# KiCad board Cacao.kicad_pcb (continued)
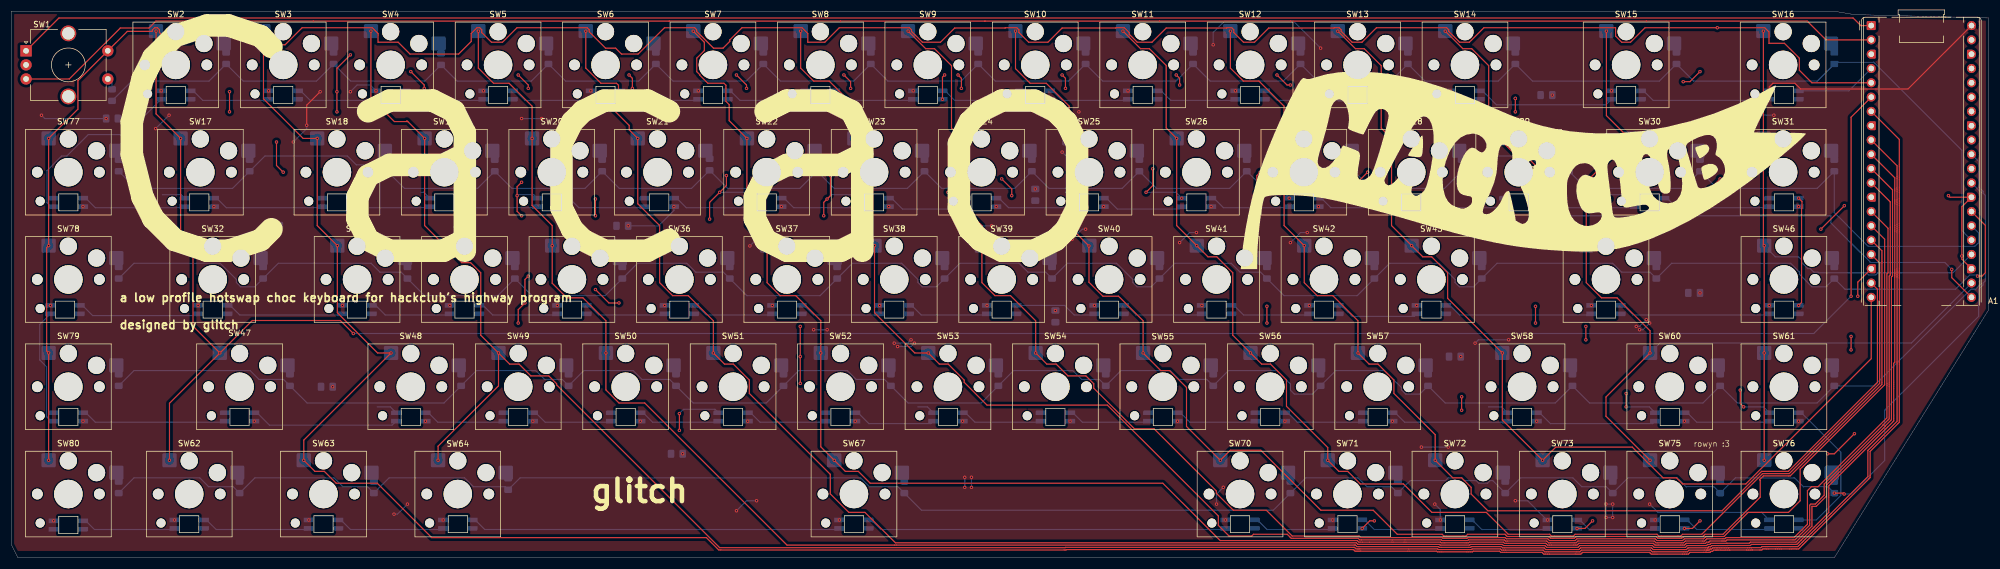
[diagram p0: board, top side]
## Nets (continued)
Net-(D41-A): D41.2 SW42.2
Net-(D42-A): D42.2 SW43.2
Net-(D43-DOUT): D43.1 D58.3
Net-(D44-A): D44.2 SW45.2
Net-(D45-A): D45.2 SW46.2
Net-(D46-A): D46.2 SW47.2
Net-(D47-A): D47.2 SW48.2
Net-(D48-A): D48.2 SW49.2
Net-(D49-A): D49.2 SW50.2
Net-(D50-A): D50.2 SW51.2
Net-(D51-A): D51.2 SW52.2
Net-(D52-A): D52.2 SW53.2
Net-(D53-A): D53.2 SW54.2
Net-(D54-A): D54.2 SW55.2
Net-(D55-A): D55.2 SW56.2
Net-(D56-A): D56.2 SW57.2
Net-(D57-A): D57.2 SW58.2
Net-(D58-DOUT): D58.1 D64.3
Net-(D59-A): D59.2 SW60.2
Net-(D60-A): D60.2 SW61.2
Net-(D61-A): D61.2 SW62.2
Net-(D62-A): D62.2 SW63.2
Net-(D63-A): D63.2 SW64.2
Net-(D64-DOUT): D64.1 D65.3
Net-(D65-DOUT): D65.1 D67.3
Net-(D66-A): D66.2 SW67.2
Net-(D67-DOUT): D67.1 D68.3
Net-(D68-DOUT): D68.1 D73.3
Net-(D69-A): D69.2 SW70.2
Net-(D70-A): D70.2 SW71.2
Net-(D71-A): D71.2 SW72.2
Net-(D72-A): D72.2 SW73.2
Net-(D73-DOUT): D73.1 D81.3
Net-(D74-A): D74.2 SW75.2
Net-(D75-A): D75.2 SW76.2
Net-(D76-A): D76.2 SW1.S2
Net-(D77-A): D77.2 SW77.2
Net-(D78-A): D78.2 SW78.2
Net-(D79-A): D79.2 SW79.2
Net-(D80-A): D80.2 SW80.2
Net-(D81-DOUT): D81.1 D82.3
Net-(D82-DOUT): D82.1 D83.3
Net-(D83-DOUT): D83.1 D84.3
Net-(D84-DOUT): D84.1 D85.3
Net-(D86-DOUT): D86.1 D87.3
Net-(D87-DOUT): D87.1 D88.3
Net-(D88-DOUT): D88.1 D89.3
Net-(D89-DOUT): D89.1 D90.3
Net-(D90-DOUT): D90.1 D91.3
Net-(D91-DOUT): D91.1 D92.3
Net-(D92-DOUT): D92.1 D93.3
Net-(D93-DOUT): D93.1 D94.3
Net-(D94-DOUT): D94.1 D95.3
Net-(D95-DOUT): D95.1 D96.3
Net-(D96-DOUT): D96.1 D97.3
Net-(D98-DOUT): D98.1 D99.3
Net-(D100-DIN): D99.1 D100.3
Net-(D100-DOUT): D100.1 D101.3
Net-(D101-DOUT): D101.1 D102.3
Net-(D102-DOUT): D102.1 D103.3
Net-(D103-DOUT): D103.1 D104.3
Net-(D104-DOUT): D104.1 D105.3
Net-(D105-DOUT): D105.1 D106.3
Net-(D106-DOUT): D106.1 D107.3
Net-(D107-DOUT): D107.1 D108.3
Net-(D108-DOUT): D108.1 D109.3
Net-(D110-DOUT): D110.1 D111.3
Net-(D111-DOUT): D111.1 D112.3
Net-(D112-DOUT): D112.1 D113.3
Net-(D113-DOUT): D113.1 D115.3
Net-(D115-DOUT): D115.1 D116.3
Net-(D116-DOUT): D116.1 D117.3
Net-(D117-DOUT): D117.1 D118.3
Net-(D118-DOUT): D118.1 D119.3
Net-(D119-DOUT): D119.1 D120.3
Net-(D120-DOUT): D120.1 D121.3
Net-(D122-DOUT): D122.1 D123.3
Net-(D123-DOUT): D123.1 D124.3
Net-(D124-DOUT): D124.1 D125.3
Net-(D125-DOUT): D125.1 D126.3
Net-(D126-DOUT): D126.1 D127.3
Net-(D127-DOUT): D127.1 D128.3
Net-(D128-DOUT): D128.1 D129.3
Net-(D129-DOUT): D129.1 D130.3
Net-(D130-DOUT): D130.1 D131.3
Net-(D131-DOUT): D131.1 D132.3
Net-(D132-DOUT): D132.1 D133.3
Net-(D134-DOUT): D134.1 D135.3
Net-(D135-DOUT): D135.1 D136.3
Net-(D136-DOUT): D136.1 D137.3
Net-(D137-DOUT): D137.1 D138.3
Net-(D138-DOUT): D138.1 D139.3
Net-(D139-DOUT): D139.1 D140.3
Net-(D140-DOUT): D140.1 D141.3
Net-(D141-DOUT): D141.1 D142.3
Net-(D142-DOUT): D142.1 D143.3
Net-(D143-DOUT): D143.1 D144.3
Net-(D144-DOUT): D144.1 D145.3
Net-(D145-DOUT): D145.1 D146.3

Pads without a net: A1 30 32 33 34 35 36 37 39; D146 1; SW1 MP

## Via types
v1: diameter 0.6, hole 0.3, Top to Bottom, 323 vias

## Routing (per net, layer and track width the routed paths; a pad name or vN(x,y) marks a point on that pad's centre or on a via; arc(x,y) is an arc through that point)
+5V: length 221.7
  Top w0.2: A1.40 336.32,83.23 317.29,83.23 316.27,84.25 312.38,84.25 311.73,83.6 v1(311.73,82.9) ; v1(54.77,82.75) 52.39,80.37 v1(52.39,76.8)
  Bottom w0.2: v1(290.51,9.53) 291.98,8.05 310.37,8.05 D136.4 ; v1(109.38,58.94) 114.78,58.94 117.5,61.65 v1(117.5,62.35) ; v1(289.92,42.27) 288.73,41.08 v1(288.13,41.08) ; v1(213.72,9.53) 213.72,11.31 v1(214.91,12.5) ; v1(186.33,72.03) 186.93,71.44 v1(189.31,71.44) ; v1(312.54,78.58) v1(308.97,78.58) ; v1(156.57,38.1) 158.95,38.1 v1(159.54,38.7) ; v1(52.39,76.8) 52.39,76.2 v1(50.01,73.82) ; v1(5.36,78.58) 5.95,77.99 v1(16.82,77.99) ; v1(254.79,19.65) v1(250.03,19.65) ; v1(213.12,91.08) 213.12,93.27 215.14,95.29 227.37,95.29 v1(232.17,90.49) ; v1(188.12,56.55) 189.9,58.34 v1(190.5,58.34) ; v1(70.25,9.53) 68.46,7.74 v1(67.87,7.74) ; v1(160.14,38.1) 159.54,37.5 v1(157.16,37.5) ; v1(252.41,9.53) 253.38,8.55 v1(253.38,6.7) ; v1(286.35,71.44) 284.56,71.44 v1(283.37,72.63) ; v1(259.56,38.1) 260.15,38.7 v1(265.51,38.7) ; v1(290.51,41.67) 289.32,40.48 v1(288.73,40.48) ; v1(27.98,78.58) v1(25.6,76.2) ; v1(286.94,72.03) 285.75,72.03 v1(283.96,73.82) ; v1(64.67,82.9) 63.63,83.94 61.32,83.94 v1(60.13,82.75) ; v1(229.79,57.75) 228.6,57.75 v1(226.81,55.96) ; v1(272.43,6.7) 272.3,6.7 268.89,10.12 v1(266.7,10.12) ; v1(133.95,57.75) 133.35,57.75 v1(130.97,55.36) ; v1(170.26,14.29) v1(170.26,12.5) ; v1(144.66,40.48) v1(142.28,40.48) ; v1(207.17,55.96) 208.95,57.75 v1(210.15,57.75) ; v1(128.59,8.33) 130.37,10.12 v1(132.16,10.12) ; v1(173.83,58.94) v1(170.26,58.94) ; v1(169.07,14.29) v1(169.07,12.5) ; v1(94.06,77.99) v1(90.49,77.99) ; v1(282.77,9.53) v1(282.77,7.14) v1(283.96,7.14) v1(283.96,9.53) v1(282.77,9.53)
  vias: v1(6.93,44.8) v1(7.52,6.55) v1(12.72,62.35) v1(12.72,24.25) v1(26.57,82.9) v1(28.95,6.7) v1(33.12,44.8) v1(35.94,62.35) v1(43.08,24.25) v1(45.62,82.9) v1(47.63,58.94) v1(52.76,6.7) v1(57,30.36) v1(58.72,44.8) v1(60.35,62.35) v1(73.44,24.25) v1(76.58,6.7) v1(77.77,44.8) v1(79.4,62.35) v1(83.72,82.9) v1(92.49,24.25) v1(96.82,44.8) v1(98.45,62.35) v1(102.77,82.9) v1(111.54,24.25) v1(115.87,44.8) v1(119.06,18.45) v1(121.82,82.9) v1(130.59,24.25) v1(134.94,44.8) v1(136.55,62.35) v1(140.87,82.9) v1(146.82,6.7) v1(149.64,24.25) v1(153.97,44.8) v1(155.6,62.35) v1(159.92,82.9) v1(168.69,24.25) v1(173.02,44.8) v1(174.65,62.35) v1(178.97,82.9) v1(181.57,65.48) v1(185.14,43.9) v1(185.74,79.18) v1(187.74,24.25) v1(189.31,79.18) v1(192.07,44.8) v1(193.7,62.35) v1(198.02,82.9) v1(206.79,24.25) v1(211.12,44.8) v1(212.75,62.35) v1(215.28,6.7) v1(217.07,82.9) v1(225.84,24.25) v1(230.17,44.8) v1(231.8,62.35) v1(234.33,6.7) v1(236.12,82.9) v1(244.89,24.25) v1(249.22,44.8) v1(250.85,62.35) v1(255.17,82.9) v1(257.02,35.72) v1(269.9,62.35) v1(270.49,24.25) v1(273.25,82.15) v1(280.17,44.8) v1(283.75,82.9) v1(291.48,6.7) v1(293.11,62.35) v1(296.68,24.25) v1(299.44,47.03) v1(311.73,44.8) v1(316.93,62.35) v1(316.93,24.25)
GND: length 283.8
  Top w0.2: A1.23 345.88,53.02 v1(345.88,53.58) 345.88,62.31 A1.28 343.77,64.02 v1(343.5,64.29) ; v1(307.18,26.79) 306.59,27.38 v1(306.59,29.77) ; v1(280.39,6.55) 279.05,5.2 v1(277.63,5.2) ; v1(326.23,39.29) v1(326.23,36.91) ; v1(286.35,29.17) v1(286.35,26.79) ; v1(299.44,86.32) 297.66,84.53 v1(296.47,84.53) ; v1(130.37,83.34) 130.37,83.94 v1(128.59,85.73) ; v1(266.7,81.56) v1(266.7,79.18) ; v1(139.9,41.08) v1(139.9,30.96) ; v1(148.83,83.34) 148.83,84.53 v1(147.64,85.73) ; v1(73.22,83.34) 73.22,83.94 v1(70.84,86.32) ; v1(301.23,65.48) v1(303.01,67.27) ; v1(165.5,85.73) 165.12,85.35 v1(165.12,81.4) ; v1(279.2,41.08) v1(279.2,38.7) ; v1(177.4,64.29) 177.4,65.48 v1(175.62,67.27) ; v1(109.54,85.73) 110.13,85.13 v1(110.13,83.34) ; v1(168.47,83.34) 168.47,85.13 v1(167.88,85.73) ; v1(60.13,89.3) 57.75,86.92 v1(57.75,82.75) v1(57.75,79.18) ; v1(167.28,66.68) 167.28,66.08 v1(166.09,64.89) ; v1(103.58,47.63) 105.97,45.24 v1(107.75,45.24) ; v1(38.7,79.18) v1(38.7,82.75) ; v1(89.89,41.67) 89.89,44.05 v1(91.08,45.24) 91.08,49.41 v1(91.68,50.01) ; v1(91.68,83.34) 91.68,83.94 v1(89.89,85.73) ; v1(103.58,63.7) v1(103.58,60.72) ; v1(326.83,22.03) 323.25,18.45 v1(322.06,18.45) ; v1(222.65,41.67) v1(222.65,44.65) ; v1(47.03,73.82) 47.03,69.65 v1(48.22,68.46) ; v1(244.08,85.73) 244.67,85.73 v1(246.46,83.94) ; v1(123.83,60.13) 123.83,63.1 v1(125.61,64.89) 126.8,66.08 v1(126.8,67.87) ; v1(186.33,85.73) 186.93,85.13 v1(186.93,83.34) ; v1(327.42,46.43) 327.42,48.93 A1.18 ; v1(299.44,6.55) 298.1,5.2 v1(296.68,5.2) ; v1(118.47,25.6) v1(118.47,22.62) ; v1(206.57,85.73) 207.17,85.13 v1(207.17,83.94) ; v1(220.86,64.89) 220.86,67.87 v1(221.46,68.46) ; v1(144.07,60.72) 144.07,63.1 v1(144.66,63.7) 145.26,64.29 v1(145.26,67.87) ; v1(226.81,83.94) 226.22,83.94 v1(224.43,85.73) ; v1(201.22,64.89) 202.41,66.08 v1(202.41,69.06) ; v1(325.04,62.51) v1(320.87,58.34) ; v1(241.7,6.55) 240.88,6.55 v1(239.53,5.2) ; v1(90.49,66.68) 89.69,65.88 v1(89.69,64.29) 89.69,61.52 v1(90.49,60.72) ; v1(270.27,44.65) v1(270.27,41.67) ; v1(238.13,64.29) 238.13,66.08 v1(240.51,68.46) ; v1(283.37,63.7) 282.77,63.1 v1(282.77,59.53) ; v1(257.18,28.58) v1(257.18,26.19)
  Bottom w0.2: 282.94,64.46 287.3,64.46 D103.2 ; D98.2 187.46,64.89 186.93,64.89 ; 166.69,64.89 v1(166.09,64.89) 168.41,64.89 D97.2 ; D126.2 124.78,26.36 119.23,26.36 v1(118.47,25.6) ; 64.89,26.79 67.21,26.79 D123.2 ; D90.2 30.13,64.46 26.79,64.46 ; v1(307.18,26.79) 310.69,26.79 D135.2 ; D134.2 290.45,26.79 v1(286.35,26.79) ; v1(220.86,64.89) 225.56,64.89 v1(226.6,63.85) ; D128.2 162.46,26.79 160.73,26.79 ; D133.2 264.25,26.79 261.94,26.79 ; 72.63,64.89 73.16,64.89 D92.2 ; v1(125.61,64.89) 130.31,64.89 D95.2 ; v1(207.55,63.85) 206.51,64.89 v1(201.22,64.89) ; 242.89,64.89 244.61,64.89 D101.2 ; D93.2 92.64,64.46 89.86,64.46 v1(89.69,64.29) ; v1(144.66,63.7) 145.42,64.46 149.79,64.46 D96.2
  vias: v1(139.9,35.72)
col0: length 439.1
  Top w0.2: v1(6.62,17.31) v1(6.62,36.36) 6.27,36.71 6.27,55.06 v1(6.62,55.41) v1(6.62,74.46) 11.82,79.66 11.82,84.71 SW1.S1 20.57,93.46 25,93.46 25,93.69 25.42,94.11 25.92,94.11 26.27,93.76 26.27,93.26 28,91.54 31.74,91.54 33.9,93.69 44.05,93.69 44.47,94.11 44.97,94.11 45.32,93.76 45.32,93.26 47.5,91.08 48.55,91.08 51.57,94.11 64.02,94.11 65.03,93.1 65.03,91.54 68.6,91.54 70.7,89.44 79.31,89.44 81.56,91.68 81.56,93.1 82.57,94.11 83.07,94.11 83.42,93.76 83.42,93.26 85.15,91.54 87.1,91.54 89.67,94.11 102.12,94.11 102.47,93.76 102.47,93.39 105.37,90.49 107.16,90.49 108.21,89.44 111.15,89.44 115.82,94.11 121.17,94.11 121.52,93.76 121.52,93.48 124.51,90.49 126.21,90.49 127.4,91.68 127.4,91.94 129.57,94.11 140.22,94.11 141.23,93.1 141.23,91.54 144.25,91.54 146.82,94.11 159.27,94.11 159.62,93.76 159.62,93.48 161.56,91.54 164.76,91.54 167.28,94.06 176.21,94.06 176.27,94.11 178.32,94.11 178.67,93.76 178.67,93.26 180.4,91.54 183.81,91.54 186.33,94.06 195.86,94.06 195.91,94.11 197.37,94.11 198.24,93.24 198.24,92.96 199.66,91.54 202.26,91.54 204.79,94.06 215.5,94.06 215.56,94.11 216.42,94.11 216.77,93.76 216.77,93.26 218.5,91.54 220.45,91.54 222.97,94.06 234.55,94.06 234.61,94.11 235.47,94.11 235.82,93.76 235.82,93.48 237.76,91.54 239.5,91.54 242.07,94.11 254.52,94.11 254.87,93.76 254.87,93.48 256.81,91.54 258.55,91.54 261.12,94.11 284.47,94.11 284.47,92.63 285.57,91.54 287.12,91.54 289.7,94.11 v1(302.51,94.11) 310.93,94.11 311.68,93.36 311.68,91.35 314.41,91.35 317.06,88.7 317.06,86.56 319.29,84.34 A1.5
col1: length 416.8
  Top w0.2: v1(36.98,36.36) 28.05,27.43 v1(28.05,17.31) ; v1(36.98,36.36) 42.74,42.12 58.35,42.12 v1(60.65,39.82) ; v1(36.98,36.36) 32.22,41.12 v1(32.22,55.41) 30.03,57.6 v1(30.03,74.46) 25.67,78.82 v1(25.67,93.51) ; A1.6 326.23,78.22 v1(326.23,46.43)
  Bottom w0.2: v1(326.23,46.43) 319.62,39.82 v1(60.65,39.82)
col2: length 454.8
  Top w0.2: A1.7 334.78,74.27 334.78,24.06 329.61,18.88 329.61,14.23 316.94,1.57 310.59,1.57 310.41,1.38 308.72,1.38 308.7,1.37 304.7,1.37 304.68,1.36 301.88,1.36 301.67,1.15 301.4,1.15 301.2,0.95 300.54,0.95 300.53,0.96 297.68,0.96 297.36,0.64 290.81,0.64 290.49,0.96 278.63,0.96 278.31,0.64 271.76,0.64 271.44,0.96 264.11,0.96 263.9,1.17 259.22,1.17 259.1,1.05 252.87,1.05 252.75,1.17 238.28,1.17 238,1.45 187.09,1.45 187.03,1.38 125.44,1.38 123.26,3.57 74.56,3.57 64.89,13.23 57.61,13.23 55.51,15.33 53.84,15.33 v1(51.86,17.31) 51.86,20.88 v1(67.34,36.36) 64.96,36.36 57.82,43.5 v1(57.82,55.41) 54.25,58.98 v1(54.25,74.46) 51.75,74.46 44.72,81.49 v1(44.72,93.51)
col3: length 419.9
  Top w0.2: 70.31,77.45 67.92,77.45 63.77,81.6 v1(63.77,93.51) ; 70.31,77.45 v1(73.3,74.46) 73.3,58.98 v1(76.87,55.41) 79.89,52.39 81.46,52.39 83.24,50.6 83.24,39.51 v1(86.39,36.36) ; 70.31,77.45 70.15,77.61 ; v1(86.39,36.36) 88.37,34.38 90.04,34.38 92.14,32.28 95.31,32.28 96.69,30.9 96.69,30.7 125.61,1.79 186.87,1.79 186.93,1.85 238.17,1.85 238.45,1.57 252.92,1.57 253.04,1.45 258.93,1.45 259.05,1.57 264.07,1.57 264.27,1.36 271.61,1.36 271.92,1.05 278.15,1.05 278.46,1.36 290.66,1.36 290.97,1.05 297.2,1.05 297.51,1.36 300.69,1.36 300.7,1.35 301.04,1.35 301.23,1.55 301.5,1.55 301.71,1.76 304.52,1.76 304.53,1.77 308.54,1.77 308.55,1.79 310.24,1.79 310.42,1.97 316.78,1.97 329.21,14.4 329.21,19.05 334.38,24.23 334.38,69.6 A1.9 ; v1(86.39,36.36) 86.39,30.52 75.68,19.81 v1(75.68,17.31)
col4: length 378.4
  Top w0.2: v1(82.82,93.51) 82.82,86.94 85.51,84.25 88.27,84.25 92.35,80.18 v1(92.35,74.46) 92.35,62.55 95.92,58.98 v1(95.92,55.41) 95.92,48.74 98.51,46.15 101.37,46.15 105.44,42.08 v1(105.44,36.36) 105.44,29.79 107.75,27.48 112.31,27.48 137.55,2.25 238.34,2.25 238.62,1.97 253.08,1.97 253.21,1.85 258.76,1.85 258.88,1.97 264.23,1.97 264.44,1.76 271.77,1.76 272.09,1.45 277.98,1.45 278.3,1.76 290.82,1.76 291.14,1.45 297.03,1.45 297.35,1.76 300.76,1.76 300.78,1.79 300.83,1.79 300.87,1.75 300.81,1.81 300.95,1.95 301.33,1.95 301.55,2.16 304.35,2.16 304.36,2.17 308.37,2.17 308.57,2.37 316.61,2.37 322.27,8.03 322.27,12.76 333.79,24.28 333.79,34.53 333.98,34.72 333.98,67.46 A1.10
col5: length 357.4
  Top w0.2: v1(101.87,93.51) 101.87,86.94 104.56,84.25 107.32,84.25 107.67,83.9 107.67,80.4 107.32,80.05 106.28,80.05 109.57,76.76 109.57,75.98 v1(111.09,74.46) 111.09,62.86 114.97,58.98 v1(114.97,55.41) 114.97,48.84 117.28,46.53 120.04,46.53 124.49,42.08 v1(124.49,36.36) 126.47,34.38 128.04,34.38 130.87,31.55 130.87,29.17 145.22,14.81 145.22,11.34 148.51,8.05 151.37,8.05 156.78,2.65 238.5,2.65 238.78,2.37 253.25,2.37 253.37,2.25 258.6,2.25 258.72,2.37 264.4,2.37 264.61,2.16 271.94,2.16 272.26,1.85 277.81,1.85 278.13,2.16 290.99,2.16 291.31,1.85 296.86,1.85 297.18,2.16 300.59,2.16 300.8,2.37 300.82,2.37 300.84,2.35 301.17,2.35 301.38,2.56 304.19,2.56 304.2,2.58 308.21,2.58 308.4,2.77 316.44,2.77 319.29,5.62 319.29,9.12 320.05,9.12 321.87,10.95 321.87,12.93 332.26,23.32 332.26,23.38 333.39,24.5 333.39,49.84 333.58,50.03 333.58,65.32 A1.11
col6: length 340.6
  Top w0.2: v1(120.92,93.51) 122.9,91.54 122.9,90.05 121.54,88.7 121.54,86.32 122.09,85.77 122.04,85.73 123.51,84.25 126.37,84.25 126.72,83.9 126.72,81.04 127.3,80.47 127.3,77.61 v1(130.45,74.46) 130.45,58.98 v1(134.02,55.41) 134.02,48.84 136.33,46.53 139.11,46.53 143.54,42.1 v1(143.54,36.36) 143.54,19.69 v1(145.92,17.31) 147.9,15.33 150.2,15.33 152.3,13.23 204.18,13.23 214.37,3.05 238.67,3.05 238.95,2.77 253.42,2.77 253.54,2.65 258.43,2.65 258.55,2.77 264.57,2.77 264.77,2.56 272.11,2.56 272.42,2.25 277.65,2.25 277.96,2.56 291.16,2.56 291.47,2.25 296.7,2.25 297.01,2.56 300.43,2.56 300.63,2.77 300.98,2.77 301,2.75 301.22,2.96 304.02,2.96 304.23,3.17 316.28,3.17 318.89,5.79 318.89,9.33 319.09,9.53 319.88,9.53 321.47,11.11 321.47,13.1 331.86,23.49 331.86,23.54 332.99,24.67 332.99,50.01 333.18,50.2 333.18,63.18 A1.12
col7: length 306
  Top w0.2: v1(139.97,93.51) 139.97,86.94 142.28,84.64 145.04,84.64 149.5,80.18 v1(149.5,74.46) 149.5,58.98 v1(153.07,55.41) 153.07,43.5 160.21,36.36 v1(162.59,36.36) 164.57,34.38 166.14,34.38 168.97,31.55 168.97,31.15 173.01,27.1 194.35,27.1 214.04,7.42 214.04,5.75 215.94,3.85 219.95,3.85 220.27,4.17 226.25,4.17 226.96,3.45 238.83,3.45 239.11,3.17 253.58,3.17 253.7,3.05 258.27,3.05 258.39,3.17 264.73,3.17 264.94,2.96 272.27,2.96 272.59,2.65 277.48,2.65 277.8,2.96 291.32,2.96 291.64,2.65 296.53,2.65 296.85,2.96 300.26,2.96 300.66,3.37 303.85,3.37 304.06,3.57 316.11,3.57 318.49,5.95 318.49,11.91 319.2,12.61 320.36,12.61 332.59,24.83 332.59,50.41 332.78,50.6 332.78,58.5 A1.14
col8: length 278.4
  Top w0.2: A1.15 332.18,56.55 332.18,30.72 317.2,15.73 317.2,10.12 315.14,8.05 307.98,8.05 303.69,3.77 300.5,3.77 300.09,3.37 296.68,3.37 296.37,3.05 291.8,3.05 291.49,3.37 277.63,3.37 277.32,3.05 272.75,3.05 272.44,3.37 265.11,3.37 264.9,3.57 258.22,3.57 258.1,3.45 253.87,3.45 253.75,3.57 239.28,3.57 239,3.85 227.13,3.85 222.55,8.43 216.69,8.43 213.69,11.44 213.69,11.85 202.63,22.9 199.15,22.9 191.94,30.11 191.94,30.9 190.56,32.28 187.39,32.28 185.29,34.38 183.62,34.38 v1(181.64,36.36) 181.64,42.08 177.19,46.53 174.43,46.53 172.12,48.84 v1(172.12,55.41) 172.12,58.98 168.55,62.55 v1(168.55,74.46) 166.72,76.29 166.72,87.38 163.71,90.39 162.14,90.39 v1(159.02,93.51)
col9: length 260.2
  Top w0.2: A1.16 331.71,54.49 331.71,30.8 315.43,14.53 310.7,14.53 310.01,13.84 310.13,13.72 310.13,10.77 303.52,4.17 300.33,4.17 299.93,3.77 296.51,3.77 296.2,3.45 291.97,3.45 291.65,3.77 277.46,3.77 277.15,3.45 272.92,3.45 272.6,3.77 265.27,3.77 264.87,4.17 258.25,4.17 257.93,3.85 254.04,3.85 253.72,4.17 245.76,4.17 241.5,8.43 232.21,8.43 221.56,19.09 216.16,19.09 v1(214.38,17.31) 208.39,23.3 208.39,30.23 205.38,33.24 203.82,33.24 v1(200.69,36.36) 200.69,42.08 196.34,46.43 193.58,46.43 191.1,48.92 v1(191.1,55.36) 187.6,58.86 v1(187.6,74.46) 187.6,80.18 183.52,84.25 180.66,84.25 178.07,86.84 v1(178.07,93.51)
col10: length 232.4
  Top w0.2: v1(197.12,93.51) 200.24,90.39 201.81,90.39 204.79,87.41 204.79,76.32 v1(206.65,74.46) 206.65,58.98 v1(210.22,55.41) 212.19,53.43 213.76,53.43 216.59,50.6 216.59,39.51 v1(219.74,36.36) 221.72,34.38 223.29,34.38 226.12,31.55 226.12,26.89 233.43,19.57 v1(233.43,17.31) 235.41,15.33 236.98,15.33 239.22,13.1 246.86,13.1 251.9,8.05 261.55,8.05 265.44,4.17 272.77,4.17 273.09,3.85 276.98,3.85 277.3,4.17 291.82,4.17 292.14,3.85 296.03,3.85 296.35,4.17 299.76,4.17 310.53,14.93 315.27,14.93 331.31,30.97 331.31,52.35 A1.17
col11: length 205.8
  Top w0.2: A1.19 330.9,47.67 330.9,31.14 315.1,15.33 310.36,15.33 303.36,8.33 261.84,8.33 258.86,11.31 258.86,12.5 257.18,14.19 255.61,14.19 v1(252.48,17.31) 252.48,21.85 245.17,29.17 245.17,31.55 242.34,34.38 240.77,34.38 v1(238.79,36.36) 238.79,42.08 234.34,46.53 231.58,46.53 229.27,48.84 v1(229.27,55.41) 225.7,58.98 v1(225.7,74.46) 225.7,80.18 221.24,84.64 218.48,84.64 216.17,86.94 v1(216.17,93.51)
col12: length 175.2
  Top w0.2: A1.20 329.8,35.34 307.56,13.1 296.37,13.1 295.28,14.19 292.89,14.19 290.37,16.71 290.34,16.71 289.98,17.06 289.98,17.1 287.43,19.65 273.87,19.65 v1(271.53,17.31) 264.39,24.45 v1(264.39,36.36) 254.69,46.06 254.69,50.6 251.86,53.43 250.29,53.43 v1(248.32,55.41) 244.75,58.98 v1(244.75,74.46) 242.92,76.29 242.92,87.38 239.91,90.39 238.34,90.39 v1(235.22,93.51)
col13: length 123.4
  Top w0.2: A1.21 344.08,49.74 v1(344.08,51.2) ; v1(254.27,93.51) 257.39,90.39 258.96,90.39 261.97,87.38 261.97,76.29 v1(263.8,74.46) 266.92,71.34 268.59,71.34 271.49,68.43 271.49,67.92 275.03,64.38 v1(275.03,60.72)
  Bottom w0.2: v1(275.03,60.72) 322.66,60.72 322.66,59.44 329.68,52.42 342.87,52.42 v1(344.08,51.2)
col14: length 156
  Top w0.2: v1(290.58,17.31) 282.77,25.12 282.77,28.55 v1(290.58,36.36) 290.58,40.29 284.72,46.15 281.96,46.15 279.27,48.84 v1(279.27,55.41) 279.27,66.75 v1(286.94,74.41) 282.85,78.51 v1(282.85,93.51)
  Bottom w0.2: v1(290.58,36.36) 292.36,38.14 336.94,38.14 A1.22
col15: length 117
  Top w0.2: v1(310.68,93.51) 310.68,55.55 v1(310.83,55.41) v1(310.83,36.36) v1(310.83,17.31)
  Bottom w0.2: v1(310.83,55.41) 312.8,53.43 316.9,53.43 317.45,52.88 317.45,52.43 318.55,51.33 319,51.33 319.62,50.71 320.36,50.71 320.47,50.6 328.95,50.6 329.35,50.21 330.61,50.21 330.91,50.51 330.91,50.6 344.33,50.6 A1.24
  vias: v1(310.68,74.46)
ECA: length 330.2
  Top w0.2: A1.1 327.94,94.5 326.59,95.85 8.45,95.85 SW1.A
ECB: length 333
  Top w0.2: A1.2 321.79,91.96 318.46,95.29 289.95,95.29 289.92,95.25 289.88,95.29 226.85,95.29 226.81,95.25 226.78,95.29 203.63,95.29 203.6,95.25 203.56,95.29 172.68,95.29 172.64,95.25 172.6,95.29 147.08,95.29 147.04,95.25 147.01,95.29 116.72,95.29 116.68,95.25 116.64,95.29 53.62,95.29 53.58,95.25 53.54,95.29 25.64,95.29 24.41,94.06 19.33,94.06 10.28,85.01 SW1.B
rgb: length 14.5
  Bottom w0.2: D43.3 325.83,82.9 A1.4
rgb1: length 14.6
  Bottom w0.2: D86.3 70.36,82.9 72.05,81.21 83.53,81.21 D85.1
rgb2: length 14.6
  Bottom w0.2: D97.1 175.14,63.85 176.83,62.16 188.3,62.16 D98.3
rgb3: length 14.6
  Bottom w0.2: D110.3 197.76,44.8 199.45,43.11 210.92,43.11 D109.1
rgb4: length 25.9
  Bottom w0.2: D122.3 37.69,24.06 14.9,24.06 13.21,25.75 D121.1
rgb5: length 22
  Bottom w0.2: D133.1 270.98,25.75 272.92,23.81 291.04,23.81 D134.3
row0: length 393.4
  Bottom w0.2: 320.21,84.64 D15.1 ; 320.21,84.64 298.32,84.64 D14.1 292.23,84.64 269.74,84.64 D13.1 263.66,84.64 250.69,84.64 D12.1 244.61,84.64 231.64,84.64 D11.1 225.56,84.64 212.59,84.64 D10.1 206.51,84.64 193.54,84.64 D9.1 187.46,84.64 174.49,84.64 D8.1 168.41,84.64 155.44,84.64 D7.1 149.36,84.64 136.39,84.64 D6.1 130.31,84.64 117.34,84.64 D5.1 111.26,84.64 98.29,84.64 D4.1 92.21,84.64 79.08,84.64 D3.1 73.32,84.64 60.19,84.64 D2.1 54.11,84.64 41.14,84.64 D1.1 35.06,84.64 21.37,84.64 D76.1 ; 320.21,84.64 323.56,87.98 330.26,87.98 345.88,72.36 345.88,58.1 A1.25
row1: length 380.8
  Bottom w0.2: D77.1 22.09,65.59 39.23,65.59 D16.1 44.98,71.34 59.61,71.34 61.18,69.76 65.54,69.76 D17.1 69.72,65.59 82.68,65.59 D18.1 88.77,65.59 101.73,65.59 D19.1 107.82,65.59 120.62,65.59 D20.1 127.03,65.59 139.83,65.59 D21.1 145.92,65.59 158.88,65.59 D22.1 164.97,65.59 177.93,65.59 D23.1 184.02,65.59 196.98,65.59 D24.1 203.07,65.59 216.03,65.59 D25.1 222.12,65.59 235.08,65.59 D26.1 241.17,65.59 254.13,65.59 D27.1 259.89,71.34 269.27,71.34 270.84,69.76 275.09,69.76 D28.1 279.27,65.58 296.4,65.58 D29.1 302.48,65.59 320.21,65.59 D30.1 323.25,61.32 329.28,55.29 348.19,55.29 348.85,55.96 348.85,57.67 A1.26
row2: length 385.2
  Top w0.2: v1(348.65,50.01) 349.44,50.01 350.04,50.6 350.04,59.02 A1.27
  Bottom w0.2: D78.1 21.76,52.29 37.04,52.29 39.92,49.41 39.92,48.87 40.68,48.11 43.18,48.11 D31.1 47.36,52.29 63.8,52.29 65.37,50.71 69.11,50.71 D32.1 73.29,46.54 86.26,46.54 D33.1 92.34,46.53 105.31,46.53 D34.1 111.06,52.29 119.79,52.29 121.37,50.71 126.26,50.71 D35.1 130.44,46.53 143.41,46.53 D36.1 149.16,52.29 157.89,52.29 160.77,49.41 160.77,48.87 161.53,48.11 164.03,48.11 D37.1 168.21,52.29 178.69,52.29 180.27,50.71 183.41,50.71 D38.1 187.26,52.29 195.99,52.29 198.87,49.41 198.87,48.87 199.63,48.11 202.13,48.11 D39.1 206.31,52.29 216.32,52.29 217.89,50.71 221.51,50.71 D40.1 225.69,46.53 238.66,46.53 D41.1 244.41,52.29 253.14,52.29 256.02,49.41 256.02,48.87 256.78,48.11 259.28,48.11 D42.1 263.46,52.29 283.96,52.29 285.54,50.71 290.57,50.71 D44.1 294.41,52.29 315.52,52.29 317.09,50.71 317.09,50.3 319.29,48.11 321.79,48.11 D45.1 325.16,47.67 344.74,47.67 347.27,50.21 348.45,50.21 v1(348.65,50.01)
row3: length 392.7
  Bottom w0.2: A1.29 349.25,64.88 349.25,48.62 348.31,47.67 347.47,47.67 330.32,30.53 D60.1 320.21,27.48 306.06,27.48 D59.1 299.97,27.48 279.86,27.48 D57.1 273.78,27.48 254.26,27.48 D56.1 249.76,29.06 247.25,29.06 246.49,29.82 246.49,30.23 243.48,33.24 234.88,33.24 D55.1 230.71,29.06 227.52,29.06 226.81,29.77 226.81,30.86 224.43,33.24 215.83,33.24 D54.1 211.99,31.66 207.09,31.66 205.52,33.24 196.78,33.24 D53.1 192.94,31.66 189.79,31.66 188.22,33.24 177.73,33.24 D52.1 171.98,27.48 159.01,27.48 D51.1 154.84,31.66 149.81,31.66 148.23,33.24 139.63,33.24 D50.1 133.88,27.48 120.91,27.48 D49.1 116.74,31.66 111.84,31.66 110.27,33.24 101.53,33.24 D48.1 97.69,31.66 94.54,31.66 92.97,33.24 82.48,33.24 D47.1 76.73,27.48 52.45,27.48 D46.1 48.28,31.66 43.92,31.66 42.34,33.24 21.76,33.24 D79.1
row4: length 401.1
  Top w0.2: v1(323.25,11.48) 324.84,11.48 v1(325,11.31)
  Bottom w0.2: v1(323.25,11.48) 322.12,12.61 317.76,12.61 316.19,14.19 305.72,14.19 D74.1 301.88,12.61 296.98,12.61 295.41,14.19 286.67,14.19 D72.1 282.83,12.61 278.47,12.61 276.9,14.19 267.62,14.19 D71.1 262.7,13.69 262.22,13.69 261.76,13.23 260.21,13.23 259.75,13.69 257.67,13.69 257.18,14.19 254.79,14.19 254.3,13.69 248.08,13.69 D70.1 244.73,12.61 240.37,12.61 238.8,14.19 229.52,14.19 D69.1 223.77,8.43 161.39,8.43 D66.1 157.22,12.61 152.19,12.61 150.61,14.19 90.22,14.19 D63.1 87.57,12.61 81.94,12.61 80.37,14.19 67,14.19 D62.1 63.16,12.61 58.8,12.61 57.23,14.19 43.19,14.19 D61.1 39.35,12.61 34.99,12.61 33.41,14.19 21.76,14.19 D80.1 ; A1.31 348.85,70.37 348.85,65.85 349.66,65.05 349.66,64.72 350.04,64.34 350.04,49.17 349.66,48.79 349.66,48.46 348.85,47.65 348.85,42.86 332.18,26.19 332.18,17.26 326.23,11.31 v1(325,11.31)
Net-(D43-DOUT): length 23.6
  Bottom w0.2: D43.1 311.53,81.21 291.13,81.21 289.44,82.9 D58.3
Net-(D58-DOUT): length 24.8
  Bottom w0.2: D64.3 260.86,82.9 263.33,80.43 282.77,80.43 D58.1
Net-(D64-DOUT): length 14.6
  Bottom w0.2: D65.3 241.81,82.9 243.5,81.21 254.98,81.21 D64.1
Net-(D65-DOUT): length 14.6
  Bottom w0.2: D67.3 222.76,82.9 224.45,81.21 235.93,81.21 D65.1
Net-(D67-DOUT): length 14.6
  Bottom w0.2: D68.3 203.92,82.9 205.61,81.21 216.88,81.21 D67.1
Net-(D68-DOUT): length 14.6
  Bottom w0.2: D68.1 197.83,81.21 186.35,81.21 184.66,82.9 D73.3
Net-(D73-DOUT): length 14.6
  Bottom w0.2: D73.1 178.78,81.21 167.3,81.21 165.61,82.9 D81.3
Net-(D76-A): length 2.1
  Bottom w0.2: D76.2 17.86,84.27 SW1.S2
Net-(D81-DOUT): length 14.6
  Bottom w0.2: D81.1 159.73,81.21 148.25,81.21 146.56,82.9 D82.3
Net-(D82-DOUT): length 14.6
  Bottom w0.2: D82.1 140.68,81.21 129.2,81.21 127.51,82.9 D83.3
Net-(D83-DOUT): length 14.6
  Bottom w0.2: D84.3 108.46,82.9 110.15,81.21 121.63,81.21 D83.1
Net-(D84-DOUT): length 14.6
  Bottom w0.2: D85.3 89.41,82.9 91.1,81.21 102.58,81.21 D84.1
Net-(D86-DOUT): length 14.6
  Bottom w0.2: D86.1 64.48,81.21 53,81.21 51.31,82.9 D87.3
Net-(D87-DOUT): length 14.6
  Bottom w0.2: D88.3 32.26,82.9 33.95,81.21 45.43,81.21 D87.1
Net-(D88-DOUT): length 32.7
  Bottom w0.2: D88.1 20.31,75.14 13.65,75.14 9.85,71.34 8.93,71.34 6.32,68.73 6.32,63.06 7.03,62.35 D89.3
Net-(D89-DOUT): length 18.8
  Bottom w0.2: D89.1 13.21,63.85 14.9,62.16 30.54,62.16 D90.3
Net-(D90-DOUT): length 20
  Bottom w0.2: D91.3 54.95,62.16 38.12,62.16 36.43,63.85 D90.1
Net-(D91-DOUT): length 14.6
  Bottom w0.2: D91.1 60.84,63.85 62.53,62.16 74,62.16 D92.3
Net-(D92-DOUT): length 14.6
  Bottom w0.2: D93.3 93.05,62.16 81.58,62.16 79.89,63.85 D92.1
Net-(D93-DOUT): length 14.6
  Bottom w0.2: D94.3 112.1,62.16 100.63,62.16 98.94,63.85 D93.1
Net-(D94-DOUT): length 14.6
  Bottom w0.2: D95.3 131.15,62.16 119.68,62.16 117.99,63.85 D94.1
Net-(D95-DOUT): length 14.6
  Bottom w0.2: D95.1 137.04,63.85 138.73,62.16 150.2,62.16 D96.3
Net-(D96-DOUT): length 14.8
  Bottom w0.2: D97.3 169,61.91 158.03,61.91 156.09,63.85 D96.1
Net-(D98-DOUT): length 14.8
  Bottom w0.2: D98.1 194.19,63.85 196.13,61.91 207.1,61.91 D99.3
Net-(D100-DIN): length 14.6
  Bottom w0.2: D100.3 226.4,62.16 214.93,62.16 213.24,63.85 D99.1
Net-(D100-DOUT): length 14.6
  Bottom w0.2: D100.1 232.29,63.85 233.98,62.16 245.45,62.16 D101.3
Net-(D101-DOUT): length 14.6
  Bottom w0.2: D102.3 264.5,62.16 253.24,62.16 251.55,63.85 D101.1
Net-(D102-DOUT): length 18.8
  Bottom w0.2: D103.3 287.72,62.16 272.08,62.16 270.39,63.85 D102.1
Net-(D103-DOUT): length 19.4
  Bottom w0.2: D103.1 293.6,63.85 295.3,62.16 311.53,62.16 D104.3
Net-(D104-DOUT): length 19.5
  Top w0.2: v1(316.93,44.8) 317.45,45.33 317.45,62.03 317.53,62.1 317.53,63.25 v1(316.93,63.85)
Net-(D105-DOUT): length 27.1
  Bottom w0.2: D106.3 285.86,44.8 287.56,43.11 311.53,43.11 D105.1
Net-(D106-DOUT): length 26.5
  Bottom w0.2: D107.3 255.12,44.8 256.81,43.11 279.98,43.11 D106.1
Net-(D107-DOUT): length 14.8
  Bottom w0.2: D107.1 248.78,42.86 237.8,42.86 235.86,44.8 D108.3
Net-(D108-DOUT): length 14.6
  Bottom w0.2: D108.1 229.97,43.11 218.5,43.11 216.81,44.8 D109.3
Net-(D110-DOUT): length 14.6
  Bottom w0.2: D111.3 186.77,44.8 188.47,43.11 191.87,43.11 D110.1
